# KiCad board Control v1.kicad_pcb (continued)
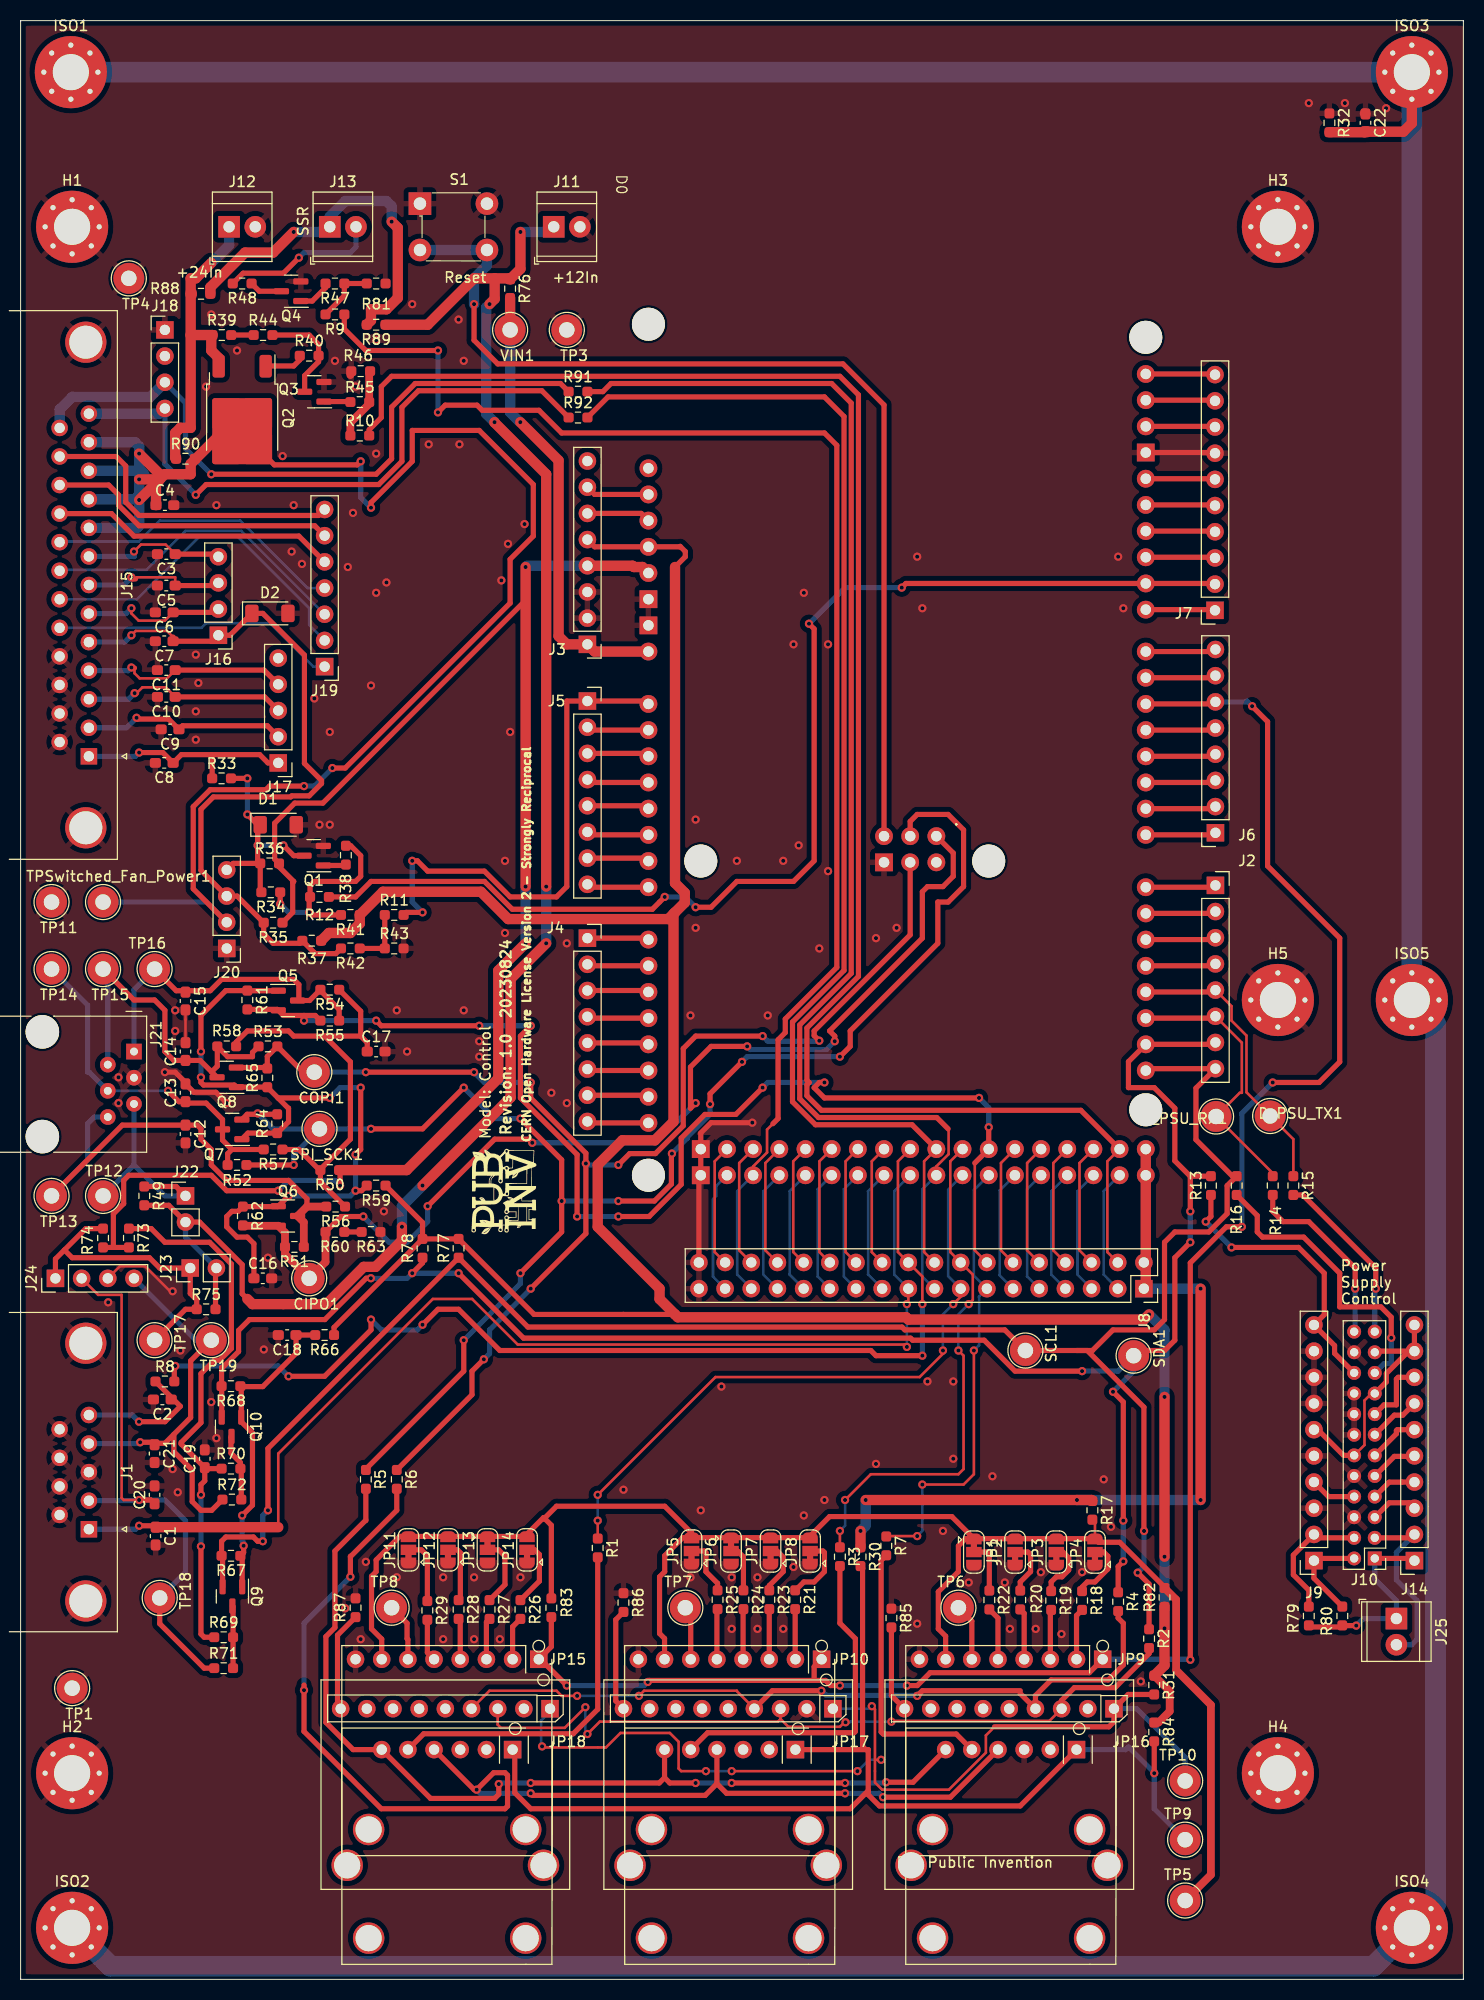
[diagram p0: board, top side]
## Library data of the parts (continued)
JP1-JP8 JP11-JP14 = -: Description: 3-pole Solder Jumper, pins 1+2 closed/bridged
JP9 = -: Description: Generic connector, single row, 01x08, script generated (kicad-library-utils/schlib/autogen/connector/)
Q1 Q3 Q4 = -: Description: 50V Vds, 0.22A Id, N-Channel MOSFET, SOT-23; AssemblyType: SMT; Cost: 0.0196; Distributor 1: JLCPCB; Distributor 1 PN: C400505; Manufacturer: Yangzhou Yangjie Electronic Technology Co., Ltd
Q2 = -: Description: 45A Id, 30V Vds, TrenchFET P-Channel Power MOSFET, 8.7mOhm Ron, 90nC Qg, -55 to 150 °C, TO-252-2; AssemblyType: SMT; Cost: $0.51; Distributor 1: JLCPCB; Distributor 1 PN: C115991; Manufacturer: Wuxi NCE Power Semiconductor
Q5-Q10 = -: Description: 50V Vds, 0.22A Id, N-Channel MOSFET, SOT-23; AssemblyType: SMT; Cost: 0.0196; Distributor 1: JLCPCB; Distributor 1 PN: C400505; LongLead: NO; Manufacturer: Yangzhou Yangjie Elec Tech
R1-R8 R13-R17 R30 R31 R33 R48 R76 R79 R80 R82 R84 R88 R89 = -: Description: Resistor; AssemblyType: SMT; Cost: 0.0015; Distributor 1: JLCPCB; Distributor 1 PN: C269434; MPN: RMC060315%N; Manufacturer: TyoHM
R9-R12 R49 R50 R59 R66 R73-R75 R91 R92 = -: Description: Resistor; AssemblyType: SMT; Cost: 0.0015; Distributor 1: NA; Distributor 1 PN: NA; LongLead: NO
R18-R29 R36-R38 R42 R45 R47 R85-R87 = -: Description: Resistor; AssemblyType: SMT; Cost: 0.0015; Distributor 1: JLCPCB; Distributor 1 PN: C269704; MPN: RMC06031K1%N; Manufacturer: TyoHM
R32 = -: Description: Resistor; AssemblyType: SMT; Cost: 0.0015; Distributor 1: JLCPCB; MPN: RMC060315%N; Manufacturer: TyoHM
R34 R35 R43 R90 = -: Description: Resistor
R39 R40 = -: Description: Resistor; AssemblyType: SMT; Cost: 0.0015; Distributor 1: JLCPCB; Distributor 1 PN: C269701
R41 R44 R46 R56 R61 R64 R65 R67-R70 R81 = -: Description: Resistor; AssemblyType: SMT; Cost: 0.0015; Distributor 1: JLCPCB; Distributor 1 PN: C269701; LongLead: NO; MPN: RMC 0603 10K F N; Manufacturer: TyoHM
R51-R55 R57 R58 R60 R62 R63 = -: Description: Resistor; AssemblyType: SMT; Cost: 0.0015; Distributor 1: JLCPCB; Distributor 1 PN: C269704; LongLead: NO; MPN: RMC06031K1%N; Manufacturer: TyoHM
R71 R72 = -: Description: Resistor; AssemblyType: SMT; Cost: 0.0015; Distributor 1: JLCPCB; Distributor 1 PN: C325713; LongLead: NO; MPN: RMC0603391%N; Manufacturer: TyoHM
R77 R78 R83 = -: Description: Resistor; AssemblyType: SMT; Cost: 0.0015; Distributor 1: JLCPCB; Distributor 1 PN: C269713; MPN: RMC 0603 4K7 F N; Manufacturer: TyoHM
S1 = -: Description: SWITCH TACTILE SPST-NO 0.05A 24V; AssemblyType: HAND; Category: Switches; Cost: 0.0315; DK_Datasheet_Link: https://www.te.com/commerce/DocumentDelivery/DDEController?Action=srchrtrv&DocNm=1825910&DocType=Customer+Drawing&DocLang=English; DK_Detail_Page: /product-detail/en/te-connectivity-alcoswitch-switches/1825910-7/450-1804-ND/1731414; Distributor 1: JLCPCB; Distributor 1 PN: C13828; Distributor 2: Digikey; Distributor 2 PN: 450-1804-ND; Family: Tactile Switches; MPN: TE Connectivity 1825910-7,   Dongguan Guangzhu Industrial C13828; Manufacturer: TE Connectivity ALCOSWITCH Switches; Status: Active
TP12-TP19 = -: Description: test point; AssemblyType: DNI; Cost: NA; Distributor 1: NA; Distributor 1 PN: NA; LongLead: NO

## Footprints (pads in the part's own frame, mm; a bottom-side part is the same pattern mirrored in y, then rotated)
Adafruit_MAX31850K_Module
  rect 1.7x1.7 hole 1: 1(0,0)
  oval 1.7x1.7 hole 1: 2(2.54,0) 3(5.08,0) 4(7.62,0) 5(10.16,0) 6(12.7,0) 7(15.24,0) 8(17.78,0)
  round 3.048 hole 2.54: 9(1.27,16.51) 10(16.51,16.51)
Adafruit_MAX31855_Module
  rect 1.7x1.7 hole 1: 1(2.54,0.762)
  oval 1.7x1.7 hole 1: 2(5.08,0.762) 3(7.62,0.762) 4(10.16,0.762) 5(12.7,0.762) 6(15.24,0.762)
  round 3.048 hole 2.54: 8(1.27,19.05) 9(16.51,19.05)
Adafruit_MCP9600_Module
  rect 1.7x1.7 hole 1: 1(1.905,2.794)
  oval 1.7x1.7 hole 1: 2(4.445,2.794) 3(6.985,2.794) 4(9.525,2.794) 5(12.065,2.794) 6(14.605,2.794) 7(17.145,2.794) 8(19.685,2.794) 9(22.225,2.794)
  round 3.048 hole 2.54: 10(2.54,17.983) 11(21.59,17.983)
Arduino_Due_Shield
  round 3.2 hole 3.2 unplated: (13.97,2.54) (15.24,50.8) (66.04,35.56) (66.04,7.62) (90.17,50.8) (96.52,2.54)
  oval 1.727x1.727 hole 1.016: (27.94,2.54) 3V3(35.56,2.54) 5V1(38.1,2.54) 5V2(66.167,30.48) 5V3(93.98,50.8) 5V4(96.52,50.8) A0(50.8,2.54) A1(53.34,2.54) A2(55.88,2.54) A3(58.42,2.54) A4(60.96,2.54) A5(63.5,2.54) A6(66.04,2.54) A7(68.58,2.54) A8(73.66,2.54) A9(76.2,2.54) A10(78.74,2.54) A11(81.28,2.54) AREF(23.876,50.8) CANR(88.9,2.54) CANT(91.44,2.54) D0(63.5,50.8) D1(60.96,50.8) D2(58.42,50.8) D3(55.88,50.8) D4(53.34,50.8) D5(50.8,50.8) D6(48.26,50.8) D7(45.72,50.8) D8(41.656,50.8) D9(39.116,50.8) D10(36.576,50.8) D11(34.036,50.8) D12(31.496,50.8) D13(28.956,50.8) D14(68.58,50.8) D15(71.12,50.8) D16(73.66,50.8) D17(76.2,50.8) D18(78.74,50.8) D19(81.28,50.8) D20(83.82,50.8) D21(86.36,50.8) D22(93.98,48.26) D23(96.52,48.26) D24(93.98,45.72) D25(96.52,45.72) D26(93.98,43.18) D27(96.52,43.18) D28(93.98,40.64) D29(96.52,40.64) D30(93.98,38.1) D31(96.52,38.1) D32(93.98,35.56) D33(96.52,35.56) D34(93.98,33.02) D35(96.52,33.02) D36(93.98,30.48) D37(96.52,30.48) D38(93.98,27.94) D39(96.52,27.94) D40(93.98,25.4) D41(96.52,25.4) D42(93.98,22.86) D43(96.52,22.86) D44(93.98,20.32) D45(96.52,20.32) D46(93.98,17.78) D47(96.52,17.78) D48(93.98,15.24) D49(96.52,15.24) D50(93.98,12.7) D51(96.52,12.7) D52(93.98,10.16) D53(96.52,10.16) DAC0(83.82,2.54) DAC1(86.36,2.54) IORF(30.48,2.54) MISO(63.627,30.48) MOSI(66.167,27.94) RST1(33.02,2.54) RST2(63.627,25.4) SCK(63.627,27.94) SCL1(18.796,50.8) SDA1(21.336,50.8) VIN(45.72,2.54)
  rect 1.727x1.727 hole 1.016: GND1(26.416,50.8) GND2(40.64,2.54) GND3(43.18,2.54) GND4(66.167,25.4) GND5(93.98,7.62) GND6(96.52,7.62)
C_0603_1608Metric_Pad1.08x0.95mm_HandSolder
  rrect 1.075x0.95 smd: 1(-0.863,0) 2(0.863,0)
D_MiniMELF
  rrect 1.3x1.7 smd: 1(-1.75,0) 2(1.75,0)
DSUB-9_Female_Horizontal_P2.77x2.84mm_EdgePinOffset4.94mm_Housed_MountingHolesOffset7.48mm
  round 4 hole 3.2: 0(-18.04,-0.3) 0(6.96,-0.3)
  rect 1.6x1.6 hole 1: 1(0,0)
  round 1.6 hole 1: 2(-2.77,0) 3(-5.54,0) 4(-8.31,0) 5(-11.08,0) 6(-1.385,-2.84) 7(-4.155,-2.84) 8(-6.925,-2.84) 9(-9.695,-2.84)
DSUB-25_Female_Horizontal_P2.77x2.84mm_EdgePinOffset4.94mm_Housed_MountingHolesOffset7.48mm
  round 4 hole 3.2: 0(-40.17,-0.3) 0(6.93,-0.3)
  rect 1.6x1.6 hole 1: 1(0,0)
  round 1.6 hole 1: 2(-2.77,0) 3(-5.54,0) 4(-8.31,0) 5(-11.08,0) 6(-13.85,0) 7(-16.62,0) 8(-19.39,0) 9(-22.16,0) 10(-24.93,0) 11(-27.7,0) 12(-30.47,0) 13(-33.24,0) 14(-1.385,-2.84) 15(-4.155,-2.84) 16(-6.925,-2.84) 17(-9.695,-2.84) 18(-12.465,-2.84) 19(-15.235,-2.84) 20(-18.005,-2.84) 21(-20.775,-2.84) 22(-23.545,-2.84) 23(-26.315,-2.84) 24(-29.085,-2.84) 25(-31.855,-2.84)
MountingHole_3.5mm_Pad_Via
  round 0.8 hole 0.5: 1(-2.625,0) 1(-1.856,1.856) 1(-1.856,-1.856) 1(0,2.625) 1(0,-2.625) 1(1.856,1.856) 1(1.856,-1.856) 1(2.625,0)
  round 7 hole 3.5: 1(0,0)
PinHeader_1x02_P2.54mm_Vertical
  rect 1.7x1.7 hole 1: 1(0,0)
  oval 1.7x1.7 hole 1: 2(0,-2.54)
PinHeader_1x04_P2.54mm_Vertical
  rect 1.7x1.7 hole 1: 1(0,0)
  oval 1.7x1.7 hole 1: 2(0,-2.54) 3(0,-5.08) 4(0,-7.62)
PinHeader_1x05_P2.54mm_Vertical
  rect 1.7x1.7 hole 1: 1(0,0)
  oval 1.7x1.7 hole 1: 2(0,-2.54) 3(0,-5.08) 4(0,-7.62) 5(0,-10.16)
PinHeader_1x07_P2.54mm_Vertical
  rect 1.7x1.7 hole 1: 1(0,0)
  oval 1.7x1.7 hole 1: 2(0,-2.54) 3(0,-5.08) 4(0,-7.62) 5(0,-10.16) 6(0,-12.7) 7(0,-15.24)
PinHeader_1x08_P2.54mm_Vertical
  rect 1.7x1.7 hole 1: 1(0,0)
  oval 1.7x1.7 hole 1: 2(0,-2.54) 3(0,-5.08) 4(0,-7.62) 5(0,-10.16) 6(0,-12.7) 7(0,-15.24) 8(0,-17.78)
PinHeader_2x12_P2.00mm_Vertical
  rect 1.35x1.35 hole 0.8: 1(0,0)
  oval 1.35x1.35 hole 0.8: 2(2,0) 3(0,-2) 4(2,-2) 5(0,-4) 6(2,-4) 7(0,-6) 8(2,-6) 9(0,-8) 10(2,-8) 11(0,-10) 12(2,-10) 13(0,-12) 14(2,-12) 15(0,-14) 16(2,-14) 17(0,-16) 18(2,-16) 19(0,-18) 20(2,-18) 21(0,-20) 22(2,-20) 23(0,-22) 24(2,-22)
PinSocket_1x08_P2.54mm_Vertical
  rect 1.7x1.7 hole 1: 1(0,0)
  oval 1.7x1.7 hole 1: 2(0,-2.54) 3(0,-5.08) 4(0,-7.62) 5(0,-10.16) 6(0,-12.7) 7(0,-15.24) 8(0,-17.78)
PinSocket_1x10_P2.54mm_Vertical
  rect 1.7x1.7 hole 1: 1(0,0)
  oval 1.7x1.7 hole 1: 2(0,-2.54) 3(0,-5.08) 4(0,-7.62) 5(0,-10.16) 6(0,-12.7) 7(0,-15.24) 8(0,-17.78) 9(0,-20.32) 10(0,-22.86)
PinSocket_2x18_P2.54mm_Vertical
  rect 1.7x1.7 hole 1: 1(0,0)
  oval 1.7x1.7 hole 1: 2(-2.54,0) 3(0,-2.54) 4(-2.54,-2.54) 5(0,-5.08) 6(-2.54,-5.08) 7(0,-7.62) 8(-2.54,-7.62) 9(0,-10.16) 10(-2.54,-10.16) 11(0,-12.7) 12(-2.54,-12.7) 13(0,-15.24) 14(-2.54,-15.24) 15(0,-17.78) 16(-2.54,-17.78) 17(0,-20.32) 18(-2.54,-20.32) 19(0,-22.86) 20(-2.54,-22.86) 21(0,-25.4) 22(-2.54,-25.4) 23(0,-27.94) 24(-2.54,-27.94) 25(0,-30.48) 26(-2.54,-30.48) 27(0,-33.02) 28(-2.54,-33.02) 29(0,-35.56) 30(-2.54,-35.56) 31(0,-38.1) 32(-2.54,-38.1) 33(0,-40.64) 34(-2.54,-40.64) 35(0,-43.18) 36(-2.54,-43.18)
R_0603_1608Metric_Pad0.98x0.95mm_HandSolder
  rrect 0.975x0.95 smd: 1(-0.912,0) 2(0.912,0)
RJ12_Amphenol_54601
  round 3.25 hole 3.25 unplated: (-1.91,-8.89) (8.25,-8.89)
  rect 1.52x1.52 hole 0.76: 1(0,0)
  round 1.52 hole 0.76: 2(1.27,-2.54) 3(2.54,0) 4(3.81,-2.54) 5(5.08,0) 6(6.35,-2.54)
SolderJumper-3_P1.3mm_Bridged12_RoundedPad1.0x1.5mm
  custom 1.05x1.5 smd: 1(-1.3,0) 3(1.3,0)
  rect 1x1.5 smd: 2(0,0)
SOT-23
  rrect 1.475x0.6 smd: 1(-0.938,0.95) 2(-0.938,-0.95) 3(0.938,0)
Switch_Tactile_THT_6x6mm
  rect 2.2x2.2 hole 1.2: 1(0,0)
  round 2.2 hole 1.2: 2(6.5,0) 3(0,-4.5) 4(6.5,-4.5)
TerminalBlock_TE_282834-2_1x02_P2.54mm_Horizontal
  rect 2.1x2.1 hole 1.1: 1(0,0)
  round 2.1 hole 1.1: 2(2.54,0)
TestPoint_Loop_D2.54mm_Drill1.5mm_Beaded
  round 3 hole 1.5: 1(0,0)
TO-252-2
  rrect 2.2x1.2 smd: 1(-5.04,2.28) 3(-5.04,-2.28)
  rrect 3.05x2.75 smd: 2(-0.415,1.525) 2(-0.415,-1.525) 2(2.935,1.525) 2(2.935,-1.525)
  rrect 6.4x5.8 smd: 2(1.26,0)

## Nets
5VHead: A1.5V3 A1.5V4 J8.1 J8.2 R17.1 R30.1
+3.3V: A1.3V3 J3.5 R31.1 R37.2 R41.1 R59.1 R66.1 R77.2 R78.2 R82.1 R84.1
+5V: A1.5V1 J3.4 R35.1 R36.2 R50.1 R73.2 R74.2
+12V: J11.1 J22.2 J23.2 R49.2 R75.2 R76.1 R89.1
+24V: J12.1 Q2.3 R39.1 R88.1 R90.1
/I2C_LevelShift/+3V3Local: C18.1 Q9.1 Q10.1 R66.2 R67.1 R68.1
/I2C_LevelShift/+5VLocal: C19.1 R69.1 R70.1 R73.1
/SPI_ControllerLevel_Shifter/+3V3Local: C16.1 Q5.1 Q6.1 Q7.1 Q8.1 R59.2 R61.1 R62.1 R64.1 R65.1
/SPI_ControllerLevel_Shifter/+5VLocal: C17.1 R50.2 R54.1 R56.1 R57.1 R58.1
/Thermocouple Amplifier I2C breakout board - MCP9600/+VccMCP9600: JP19.1 JP20.1 JP21.1 R31.2 TP10.1
/Thermocouple Amplifier SPI Interface breakout board - MAX31855 /+VccMAX31855: JP16.1 JP17.1 JP18.1 R30.2 R84.2 TP9.1
/Thermocouple Amplifier with 1-Wire Breakout Board - MAX31850K/+VccMAX31850: JP1.1 JP2.3 JP3.3 JP4.3 JP5.3 JP6.1 JP7.3 JP8.3 JP9.7 JP10.7 JP11.3 JP12.3 JP13.1 JP14.3 JP15.7 R17.2 R82.2 R83.2 TP5.1
GND: A1.GND1 A1.GND2 A1.GND3 A1.GND4 A1.GND5 A1.GND6 C1.2 C2.2 C3.2 C4.2 C5.2 C6.2 C7.2 C8.2 C9.2 C10.2 C11.2 C12.2 C13.2 C14.2 C15.2 C16.2 C17.2 C18.2 C19.2 C20.2 C21.2 C22.1 D1.2 D2.2 H1.1 H2.1 H3.1 H4.1 H5.1 J1.0 J1.3 J1.6 J1.7 J1.8 J1.9 J3.2 J3.3 J7.7 J8.35 J8.36 J9.3 J9.5 J9.7 J9.8 J9.9 J10.6 J10.10 J10.14 J10.16 J10.18 J10.22 J11.2 J12.2 J15.0 J15.14 J15.15 J15.16 J15.17 J18.1 J20.1 J21.3 J24.3 JP1.3 JP2.1 JP3.1 JP4.1 JP5.1 JP6.3 JP7.1 JP8.1 JP9.8 JP10.8 JP11.1 JP12.1 JP13.3 JP14.1 JP15.8 JP16.3 JP17.3 JP18.3 JP19.2 JP20.2 JP21.2 Q1.2 Q3.2 Q4.2 R32.1 R43.2 R46.2 R63.1 R81.2 R85.1 R86.1 R87.1 S1.1 S1.2 TP1.1 TP3.1 TP4.1 TP11.1
/ACI: J10.13 J14.7
/AUX: J9.6 J10.12 J10.17 J10.21 J14.9 J14.10
/Blower controller/FAN1_FG: R11.1 R42.1 R43.1
/Blower controller/FAN_POWER: R10.1 R45.2 R46.1
/Blower controller/LOOPBACK13: J15.13 J18.4 R92.1
/Blower controller/LOOPBACK25: J15.25 J18.3 R91.1
/Blower controller/nFAN1_PWM: R12.1 R34.1 R38.2 R41.2
/Blower controller/PWMFan1: C8.1 J15.1 J17.1 R33.1
/Blower controller/PWMFan2: C9.1 J15.2 J17.2
/Blower controller/PWMFan3: C10.1 J15.3 J17.3
/Blower controller/PWMFan4: C11.1 J15.4 J17.4
/Blower controller/Switched_Fan_Power: C4.1 J15.9 J15.10 J15.11 J15.12 J20.2 Q2.2 R90.2 TPSwitched_Fan_Power1.1
/Blower controller/TachFan1: C7.1 D2.1 J15.5 J16.1 J20.3 R35.2 R37.1 R42.2
/Blower controller/TachFan2: C6.1 J15.6 J16.2
/Blower controller/TachFan3: C5.1 J15.7 J16.3
/Blower controller/TachFan4: C3.1 J15.8 J16.4
/D_PSU_RX: A1.D19 D_PSU_RX1.1 J2.6 R14.2
/D_PSU_TX: A1.D18 D_PSU_TX1.1 J2.5 R15.1
/EN+: J10.11 J14.6
/EN-: J10.9 J14.5
/I2C_LevelShift/I2C_VCC: J23.1 J24.1 R74.1 R75.1 TP17.1
/I2C_LevelShift/SCL_5V: C20.1 J1.2 J24.2 R71.1 TP18.1
/I2C_LevelShift/SDA_5V: C21.1 J1.4 J24.4 R72.1 TP19.1
/PAR: J10.7 J14.4
/POK: J10.5 J14.3
/PS_SCL: J10.19 R16.2
/PS_SDA: J9.10 J10.20 R13.1
/RX: J10.23 R15.2
/SPI_ControllerLevel_Shifter/C_SCK: C13.1 J21.4 Q7.3 R52.1 R57.2 TP14.1
/SPI_ControllerLevel_Shifter/CIPO: C12.1 J21.6 Q6.3 R51.1 R56.2 TP13.1
/SPI_ControllerLevel_Shifter/ControllerVcc: J21.5 J22.1 R49.1 TP12.1
/SPI_ControllerLevel_Shifter/COPI: C14.1 J21.2 Q8.3 R53.1 R58.2 TP15.1
/SPI_ControllerLevel_Shifter/nCS: C15.1 J21.1 Q5.3 R54.2 R55.1 TP16.1
/SSR Interface/Heater: R9.2 R47.1 R81.1
/SSR Interface/Heater_SSR_High: J13.1 R88.2 R89.2
/SSR Interface/Heater_SSR_Low: J13.2 R48.2
/Thermocouple Amplifier I2C breakout board - MCP9600/SCL: JP19.3 JP20.3 JP21.3 R2.2
/Thermocouple Amplifier I2C breakout board - MCP9600/SDA: JP19.4 JP20.4 JP21.4 R4.2
/Thermocouple Amplifier SPI Interface breakout board - MAX31855 /DO: JP16.4 JP17.4 JP18.4 R6.2
/Thermocouple Amplifier SPI Interface breakout board - MAX31855 /nCS_1: JP16.5 R7.2
/Thermocouple Amplifier SPI Interface breakout board - MAX31855 /nCS_2: JP17.5 R3.2
/Thermocouple Amplifier SPI Interface breakout board - MAX31855 /nCS_3: JP18.5 R1.2
/Thermocouple Amplifier SPI Interface breakout board - MAX31855 /SCK: JP16.6 JP17.6 JP18.6 R5.2
/TX: J10.24 R14.1
/VCI: J10.15 J14.8
/VO+: J9.1 J10.2 R80.2
/VO-: J9.2 J10.4 R79.2
/VS+: J10.1 J14.1 J25.1 R79.1 R80.1
/VS-: J10.3 J14.2 J25.2
/VSET: J9.4 J10.8
AREF: A1.AREF J7.8
BLOWER_ENABLE: A1.D22 J8.4 R10.2
BLOWER_TACH: A1.A0 J5.1 R11.2
CANR: A1.CANR J4.7
CANT: A1.CANT J4.8
CIPO: A1.MISO CIPO1.1 Q6.2 R51.2 R60.2 R62.2
COPI: A1.MOSI COPI1.1 Q8.2 R6.1 R53.2 R65.2
D0: A1.D0 J6.1
D1: A1.D1 J6.2
D23: A1.D23 J8.3
D25: A1.D25 J8.5
D27: A1.D27 J8.7
D29: A1.D29 J8.9
D31: A1.D31 J8.11
D32: A1.D32 J8.14 Q5.2 R55.2 R61.2
D37: A1.D37 J8.17 R91.2
D38: A1.D38 J8.20 R8.2
D39: A1.D39 C1.1 J1.1 J8.19
D40: A1.D40 J8.22
D41: A1.D41 J8.21
D42: A1.D42 J8.24
D43: A1.D43 J8.23
D44: A1.D44 J8.26
D45: A1.D45 J8.25
D46: A1.D46 J8.28
D47: A1.D47 J8.27
D48: A1.D48 J8.30
D49: A1.D49 J8.29
D50: A1.D50 J8.32
D51: A1.D51 J8.31 R9.1
D52: A1.D52 J8.34
D53: A1.D53 J8.33
DAC0: A1.DAC0 J4.5
DAC1: A1.DAC1 J4.6
LOOPBACK13: A1.D36 J8.18 R92.2
nFAN1_PWM: A1.D9 J7.2 R12.2
ONE_WIRE_TC: A1.D5 J6.6 JP9.1 JP10.1 JP15.1 R83.1
SCL: A1.D21 J2.8 Q9.2 R2.1 R16.1 R67.2 R77.1 SCL1.1
SCL1: A1.SCL1 J7.10
SDA: A1.D20 J2.7 Q10.2 R4.1 R13.2 R68.2 R78.1 SDA1.1
SDA1: A1.SDA1 J7.9
SPI_nRST: A1.RST2 S1.3 S1.4
SPI_SCK: A1.SCK Q7.2 R5.1 R52.2 R64.2 SPI_SCK1.1
TC_nCS1: A1.D33 J8.13 R7.1
TC_nCS2: A1.D34 J8.16 R3.1
TC_nCS3: A1.D35 J8.15 R1.1
Net-(A1-D4_CS1): A1.D4 J6.5
Net-(A1-D10_CS0): A1.D10 J7.3
Net-(A1-D14/TX3): A1.D14 J2.1
Net-(A1-D15/RX3): A1.D15 J2.2
Net-(A1-D16/TX2): A1.D16 J2.3
Net-(A1-D17/RX2): A1.D17 J2.4
Net-(A1-IOREF): A1.IORF J3.7
Net-(A1-RESET): A1.RST1 J3.6
Net-(C2-Pad1): C2.1 J1.5 R8.1
Net-(C22-Pad2): C22.2 ISO1.1 ISO2.1 ISO3.1 ISO4.1 ISO5.1 R32.2
Net-(D1-K): D1.1 J20.4 Q1.3 R33.2 R34.2 R36.1
Net-(J3-Pin_1): A1.VIN J3.1 R76.2 VIN1.1
Net-(J4-Pin_1): A1.A8 J4.1
Net-(J4-Pin_2): A1.A9 J4.2
Net-(J4-Pin_3): A1.A10 J4.3
Net-(J4-Pin_4): A1.A11 J4.4
Net-(J5-Pin_2): A1.A1 J5.2
Net-(J5-Pin_3): A1.A2 J5.3
Net-(J5-Pin_4): A1.A3 J5.4
Net-(J5-Pin_5): A1.A4 J5.5
Net-(J5-Pin_6): A1.A5 J5.6
Net-(J5-Pin_7): A1.A6 J5.7
Net-(J5-Pin_8): A1.A7 J5.8
Net-(J6-Pin_3): A1.D2 J6.3
Net-(J6-Pin_4): A1.D3 J6.4
Net-(J6-Pin_7): A1.D6 J6.7
Net-(J6-Pin_8): A1.D7 J6.8
Net-(J7-Pin_1): A1.D8 J7.1
Net-(J7-Pin_4): A1.D11 J7.4
Net-(J7-Pin_5): A1.D12 J7.5
Net-(J7-Pin_6): A1.D13 J7.6
Net-(J8-Pin_6): A1.D24 J8.6
Net-(J8-Pin_8): A1.D26 J8.8
Net-(J8-Pin_10): A1.D28 J8.10
Net-(J8-Pin_12): A1.D30 J8.12
Net-(J15-P18): J15.18 J19.1
Net-(J15-P19): J15.19 J19.2
Net-(J15-P20): J15.20 J19.3
Net-(J15-P21): J15.21 J19.4
Net-(J15-P22): J15.22 J19.5
Net-(J15-P23): J15.23 J19.6
Net-(J15-P24): J15.24 J19.7
Net-(JP1-C): JP1.2 R22.1
Net-(JP2-C): JP2.2 R20.1
Net-(JP3-C): JP3.2 R19.1
Net-(JP4-C): JP4.2 R18.1
Net-(JP5-C): JP5.2 R25.1
Net-(JP6-C): JP6.2 R24.1
Net-(JP7-C): JP7.2 R23.1
Net-(JP8-C): JP8.2 R21.1
Net-(JP9-Pin_2): JP9.2 R18.2
Net-(JP9-Pin_3): JP9.3 R19.2
Net-(JP9-Pin_4): JP9.4 R20.2
Net-(JP9-Pin_5): JP9.5 R22.2
Net-(JP9-Pin_6): JP9.6 TP6.1
Net-(JP10-Pad2): JP10.2 R21.2
Net-(JP10-Pad3): JP10.3 R23.2
Net-(JP10-Pad4): JP10.4 R24.2
Net-(JP10-Pad5): JP10.5 R25.2
Net-(JP10-Pad6): JP10.6 TP7.1
Net-(JP11-C): JP11.2 R29.1
Net-(JP12-C): JP12.2 R28.1
Net-(JP13-C): JP13.2 R27.1
Net-(JP14-C): JP14.2 R26.1
Net-(JP15-Pad2): JP15.2 R26.2
Net-(JP15-Pad3): JP15.3 R27.2
Net-(JP15-Pad4): JP15.4 R28.2
Net-(JP15-Pad5): JP15.5 R29.2
Net-(JP15-Pad6): JP15.6 TP8.1
Net-(JP19-Pad9): JP19.9 R85.2
Net-(JP20-Pad9): JP20.9 R86.2
Net-(JP21-Pad9): JP21.9 R87.2
Net-(Q1-G): Q1.1 R38.1
Net-(Q2-G): Q2.1 R40.1
Net-(Q3-D): Q3.3 R40.2 R44.2
Net-(Q3-G): Q3.1 R45.1
Net-(Q4-D): Q4.3 R48.1
Net-(Q4-G): Q4.1 R47.2
Net-(Q9-D): Q9.3 R69.2 R71.2
Net-(Q10-D): Q10.3 R70.2 R72.2
Net-(R39-Pad2): R39.2 R44.1
Net-(R60-Pad1): R60.1 R63.2

Pads without a net: A1 5V2; J3 8; J17 5; J18 2; JP9 9 10; JP10 9 10; JP15 9 10; JP16 2 8 9; JP17 2 8 9; JP18 2 8 9; JP19 5 6 7 8 10 11; JP20 5 6 7 8 10 11; JP21 5 6 7 8 10 11

## Via types
v1: diameter 0.8, hole 0.4, Top to Bottom, 307 vias

## Routing (per net, layer and track width the routed paths; a pad name or vN(x,y) marks a point on that pad's centre or on a via; arc(x,y) is an arc through that point)
5VHead: length 78.4
  Top w1: v1(114.5,67) v1(114.5,46.5) ; R17.1 103.91,46.5 v1(102.5,46.5) v1(82,46.5) ; v1(81.5,43.5) R30.1 ; A1.5V3 A1.5V4 109.18,67.18 J8.1
  Bottom w1: v1(81.5,43.5) 82,44 v1(82,46.5) ; v1(114.5,46.5) v1(102.5,46.5) ; J8.1 v1(114.5,67)
+3.3V: length 269.1
  Top w0.5: R59.1 39,73.41 R78.2 ; R66.1 30.41,63.24 R78.2 ; 63.5,137 64.5,138 64.5,138.5 64,139 63.96,138.96 A1.3V3 55.7,138.96 J3.5 ; R78.2 R77.2 49.83,64.5 63.5,64.5
  Top w0.75: R84.1 110.41,24.91 111.5,26 111.5,27.96 R31.1
  Top w1: v1(109.5,64.5) 109,64 86.15,64 85.92,64.22 63.78,64.22 62,66 62,67 56,73 56,79 58.39,81.39 61.55,81.39 63.35,83.19 63.35,103.35 63.5,103.5 ; 63.5,103.5 64.45,104.45 64.45,105.39 63.5,106.34 63.5,137 ; 63.5,103.5 62.85,102.85 47.32,102.85 44.67,105.5 35.16,105.5 R41.1 32.91,102.41 32,101.5 29.91,101.5 R37.2 ; R31.1 111,30.46 R82.1 ; v1(111,56.5) v1(111,41)
  Bottom w1: v1(111,41) v1(111,34.05) ; v1(109.5,64.5) 111,63 v1(111,56.5)
+5V: length 162.9
  Top w0.5: R50.1 31,78.41 v1(31,77) ; R35.1 26.4,103.49 26.4,106.4 26.5,106.5 25.08,107.92 25.08,108.25 24.65,108.67 24.65,112.15 26.6,114.1 29.33,114.1 49,133.77 v1(49,137) ; R74.2 9,71 ; 9,71 9,74.24 10,75.24 10,77.5 10.5,78 18.5,78 20,76.5 v1(25,76.5) ; 9,71 R73.2
  Top w1: A1.5V1 60.34,137 59.5,137 59.38,137.12 J3.4 ; v1(49,137) v1(49,106) ; R50.1 37.46,78.5 46.35,87.39 46.35,97.85 v1(49,100.5)
  Bottom w0.5: v1(31,77) 30.5,77.5 26,77.5 v1(25,76.5) ; v1(49,137) 49.12,137.12
  Bottom w1: v1(49,106) v1(49,100.5) ; 49.12,137.12 J3.4
+12V: length 167.1
  Top w0.5: 22,66 21.5,66.5 21.5,69.33 17.37,73.46 J22.2 14.37,75.09 R49.2 ; R75.2 18.91,68.91
  Top w1: 46,165 46,163 v1(45.5,162.5) ; 46,165 44,165 39.5,160.5 R89.1 ; 46,165 47.41,165 R76.1 48.5,165.91 v1(48.5,169.5) ; v1(37,73) 37,71.67 34.44,69.11 33.29,69.11 29.68,65.5 22.5,65.5 22,66 ; v1(51,100.5) 47.55,97.05 47.55,85.55 v1(39,77) ; v1(45.99,151.05) 45.99,151.01 51,146 v1(51,106)
  Bottom w0.5: J23.2 16,72 J22.2
  Bottom w1: v1(37,73) 37,75 v1(39,77) ; v1(48.5,169.5) 51.23,169.5 J11.1 ; v1(45.99,151.05) 45.17,151.87 45.17,162.17 v1(45.5,162.5) ; v1(51,106) v1(51,100.5)
+24V: length 31.1
  Top w1: 16.5,159.5 R39.1 18.5,159.39 18.5,158 19.22,157.28 Q2.3 ; 16.5,159.5 16.5,150.5 15.5,150.5 15,150 15,147.59 R90.1 ; 16.5,159.5 16.5,163.41 R88.1 16.5,163.59 16.5,165 17,165 v1(18.5,166.5)
  Bottom w1: v1(18.5,166.5) 20.23,168.23 J12.1
/I2C_LevelShift/+3V3Local: length 30.6
  Top w0.5: v1(21.64,42.06) 21.64,41.4 R67.1 ; R68.1 21.37,57.5 23.5,57.5 26.72,60.72 C18.1 R66.2 ; 21.41,57.46 Q10.1 21.41,54.09 22.5,53 22.5,46 v1(21.5,45) ; Q9.1 21.5,40.91
  Bottom w0.5: v1(21.64,42.06) 21.64,42.36 21.5,42.5 v1(21.5,45)
/I2C_LevelShift/+5VLocal: length 53.6
  Top w0.5: v1(17.5,47) 17.5,47.99 17.87,48.36 C19.1 15.58,51.93 15.58,52.07 17.5,54 17.5,58.75 18.8,60.05 19.31,60.05 20.45,61.19 20.45,69.39 18.34,71.5 14,71.5 12.67,72.82 R73.1 ; R70.1 17.96,49.54 ; v1(17.5,42) 17.5,33.5 17.81,33.19 R69.1
  Bottom w0.5: v1(17.5,42) v1(17.5,47)
/SPI_ControllerLevel_Shifter/+3V3Local: length 72.2
  Top w0.5: v1(17.5,87.5) 17.5,87 17.75,86.75 20.74,86.75 Q8.1 23.92,86.55 R65.1 24.99,85.49 ; v1(17.5,90) 17.5,93.5 19.91,95.91 R61.1 22.01,95.9 Q5.1 ; Q7.1 22.06,82.09 R64.1 26,83.19 26,84.5 25.97,84.5 24.99,85.49 ; v1(33,86.5) 33,80.5 v1(32.5,80) ; C16.1 22.64,71.36 22,72 21,72 20,73 20,74 20.5,74.5 21.11,74.5 R62.1 24.96,74.96 Q6.1 v1(26,76) ; 24.99,85.49 25,85.5 v1(30,85.5) ; v1(32.5,76.5) 33.09,76.5 R59.2
  Bottom w0.5: v1(33,86.5) 31,86.5 v1(30,85.5) ; v1(32.5,80) v1(32.5,76.5) 32,76 v1(26,76) ; v1(17.5,90) v1(17.5,87.5)
/SPI_ControllerLevel_Shifter/+5VLocal: length 44.5
  Top w0.5: R56.1 29.09,77.35 29.09,78.41 27,80.5 R57.1 ; 29.5,91.5 33,91.5 ; 29.5,91.5 26.5,91.5 26,92 22,92 20.91,90.91 R58.1 ; 29.5,91.5 32,89 32,81.5 29.09,78.59 R50.2 ; 33,91.5 33.64,90.86 C17.1 ; 33,91.5 33,93.91 R54.1
/Thermocouple Amplifier I2C breakout board - MCP9600/+VccMCP9600: length 97.2
  Top w0.25: v1(50.6,22.6) 50.7,22.5 56.8,22.5 58.2,23.9 63,23.9 63.85,23.05 63.85,20.45 64.1,20.2 v1(66.5,20.2) ; 82.9,21.3 v1(83.5,21.3) ; v1(82.6,26.5) 82.9,26.2 82.9,19.1 83.6,18.4 90.07,18.4 93.66,21.99 93.66,23.66 94.5,24.5 ; v1(81.2,20.2) v1(69,20.2)
  Top w0.5: R31.2 107.48,27.64 JP19.1 106.09,25 105.6,24.5 94.5,24.5
  Bottom w0.25: v1(82.6,26.5) 82.36,26.26 JP20.1 ; v1(81.2,20.2) 82.3,21.3 v1(83.5,21.3) ; v1(69,20.2) v1(66.5,20.2) ; JP21.1 51.38,25.97 50.5,25.1 50.5,22.7 v1(50.6,22.6)
  Bottom w0.5: TP10.1 113,21.55 108.29,26.26 JP19.1
/Thermocouple Amplifier SPI Interface breakout board - MAX31855 /+VccMAX31855: length 111.8
  Top w0.5: 82,22.29 JP17.1 ; 82,22.29 82.25,22.29 82.25,18.3 ; 82,22.29 81.7,22.59 81.7,39.89 R30.2 ; 82.25,18.3 82.25,17.91 83.34,16.82 97,16.82 JP16.1 ; 82.25,18.3 80.5,16.55 49.5,16.55 47.95,18.1 47.95,22.08 JP18.1 ; R84.2 v1(110,20)
  Bottom w0.5: JP16.1 107.24,22.29 107.5,22.55 110,20.05 110,16.55 TP9.1
/Thermocouple Amplifier with 1-Wire Breakout Board - MAX31850K/+VccMAX31850: length 165.4
  Top w0.25: R17.2 104.25,44.34 JP4.3
  Top w0.5: JP9.7 89.76,33.29 89.05,34 89.05,37.6 91,39.55 91,42.05 91.7,42.75 JP1.1 ; JP1.1 JP2.3 JP3.3 JP4.3 104.6,42.4 106.65,42.4 111,38.05 R82.2 ; JP1.1 90.35,44.9 78.5,44.9 76.61,43 ; JP5.3 JP6.1 JP7.3 JP8.3 ; JP5.3 64.25,42.85 62.5,41.1 62.5,39.55 62,39.05 62,33.55 62.48,33.06 JP10.7 ; JP5.3 65.1,43.45 ; 65.1,43.29 62.5,45.9 52,45.9 50.75,44.65 ; R83.2 51.5,44.05 50.75,44.8 49.14,43.19 JP14.3 JP13.1 JP12.3 JP11.3 36.78,42.96 34.5,40.68 34.5,39.55 34.05,39.1 34.05,34 35.04,33.01 JP15.7
  Top w0.75: R82.2 112.12,36.84 112.12,30 115.5,26.62 115.5,10.15 TP5.1
GND: length 43.5
  Top w0.25: v1(14.75,66.75) 14.5,66.75 12.08,69.18 9.63,69.18 J24.3 ; C14.2 C15.2
  Top w0.5: v1(20,85) 18.95,86.05 16.81,86.05 C13.2 16,87 15,88 v1(14,88) ; v1(71,83.1) 67,83.1 66,82.1 A1.GND5 A1.GND6 65.82,77.82 J8.36 ; J7.7 115.84,148.1 A1.GND1
  Top w0.75: 32,155.61 32,156
  Top w1: 130.45,181 C22.1
  vias: v1(8.5,65.68) v1(9.5,87.5) v1(9.5,85) v1(14.75,49.5) v1(15,94) v1(15,92) v1(15.25,47.25) v1(15.5,61) v1(17,128.5) v1(17,123) v1(17,120.25) v1(17.25,125.75) v1(18,154.5) v1(18.5,161.5) v1(18.5,56) v1(19,143) v1(19,52.5) v1(21,158) v1(23.6,61.1) v1(24,70) v1(25.42,147.76) v1(26.3,138.5) v1(26.5,143) v1(27.3,137.3) v1(28.5,124.25) v1(29,112) v1(30,121) v1(30,112) v1(30.5,157) v1(31.5,36) v1(31.75,137) v1(32.25,142.25) v1(32.5,154.5) v1(33,33) v1(33.5,40.5) v1(34,125.5) v1(34,71) v1(34.5,159) v1(34.5,148) v1(34.5,134.5) v1(35.25,74.5) v1(35.5,135.5) v1(36.5,94) v1(36.5,39) v1(37.5,90) v1(38,162.5) v1(39.6,148.9) v1(41,39) v1(41,33) v1(42.5,161) v1(42.58,148.9) v1(43,157) v1(43,94) v1(44,39) v1(44,33) v1(44.5,91) v1(44.5,89.5) v1(46.5,33) v1(46.65,135.7) v1(47,108.5) v1(47,101.5) v1(47.29,139.25) v1(47.5,121) v1(48.5,39) v1(48.9,141.16) v1(51.5,86) v1(53,100.5) v1(53,85) v1(58.5,47.5) v1(65,93.5) v1(65,39) v1(65.5,112.5) v1(65.5,102) v1(66,45.5) v1(68,57.5) v1(69,39) v1(69,34) v1(69.5,108.5) v1(71.5,39) v1(71.5,34) v1(72.5,93.5) v1(74,108.5) v1(74,34) v1(75,129.5) v1(75,40) v1(75.5,110) v1(76,134.5) v1(76,45) v1(77.5,100) v1(78,46.5) v1(78.35,129.5) v1(78.35,107.5) v1(83,101) v1(83,50) v1(85,102) v1(87,138) v1(87,34.5) v1(87.5,133) v1(88,58) v1(89.5,43.5) v1(90.5,58) v1(90.5,50.5) v1(92,38.5) v1(94.3,48.8) v1(95.5,38.5) v1(96,34) v1(98.5,34) v1(99,39.5) v1(101,33.5) v1(103,39.5) v1(105.1,48.5) v1(105.8,43.9) v1(106.5,138) v1(107,133) v1(108.7,28.9) v1(125,182) v1(128.5,182) v1(132.5,181.5)
/ACI: length 5.1
  Top w0.5: J10.13 133.3,54.73 134.12,54.73 J14.7
/AUX: length 24.5
  Top w0.25: 131.08,56.83 130.4,56.15 130.4,51.83 J10.12
  Top w0.5: J14.9 134.69,60.94 132.53,58.78 132.53,57.96 J10.17 131.08,56.83 ; J14.9 131.71,60.94 131.5,60.73 J10.21 ; J14.9 J14.10 ; J9.6 125.88,53.32 128.37,50.83 J10.12
/Blower controller/FAN1_FG: length 5.7
  Top w0.5: R11.1 R43.1 R42.1
/Blower controller/FAN_POWER: length 7
  Top w0.75: R10.1 32,151 33.83,152.82 R45.2 33.83,156
/Blower controller/LOOPBACK13: length 61.7
  Top w0.5: R92.1 50.58,154.1 38.6,154.1 37,152.5 37,147.25 34.75,145 18,145 v1(17,144)
  Bottom w0.5: v1(17,144) 14,147 J18.4
  Bottom w1: J18.4 13.5,151.88 J15.13
/Blower controller/LOOPBACK25: length 65.5
  Top w0.5: R91.1 52.39,154.8 38.29,154.8 36,152.51 36,147.5 34.5,146 v1(18.5,146)
  Bottom w0.5: v1(18.5,146) 16,148.5 16,152.92 J18.3
  Bottom w1: J18.3 12.58,153.5 5,153.5 3.79,152.29 J15.25
/Blower controller/nFAN1_PWM: length 19.2
  Top w0.5: R38.2 32.04,109.96 33,109 33,107 32.5,106.5 28.5,106.5 28.09,106.09 R12.1 28,104.91 v1(28,103.5) 28.25,103.25 R41.2 ; R34.1 v1(25.19,104.31)
  Bottom w0.5: v1(28,103.5) 26,103.5 v1(25.19,104.31)
/Blower controller/PWMFan1: length 21.9
  Top w0.5: R33.1 18.59,118.71 18.5,118.8 ; v1(11.5,119) 13.8,119 C8.1 15.6,118.8 18.5,118.8 ; J17.1 24,118 23.2,118.8 18.5,118.8
  Bottom w0.5: J15.1 11.14,118.64 v1(11.5,119)
/Blower controller/PWMFan2: length 19.8
  Top w0.5: J17.2 23.94,121.6 15.71,121.6 C9.1 14.36,122.25 11.37,122.25 v1(11.25,122.37)
  Bottom w0.5: v1(11.25,122.37) 10.28,121.41 J15.2
/Blower controller/PWMFan3: length 19.8
  Top w0.25: 11.25,124.76 11.81,125.33 14.08,125.33 C10.1
  Top w0.5: J17.3 23.68,124.4 C10.1 ; 11.25,124.76 v1(11.06,124.76)
  Bottom w0.5: v1(11.06,124.76) 10.47,124.18 J15.3
/Blower controller/PWMFan4: length 20.1
  Top w0.25: 11.05,127.2 11.05,126.7 11.55,126.2 14.2,126.2 C11.1
  Top w0.5: v1(10.75,127.25) 10.8,127.2 11.05,127.2 ; C11.1 23.62,127 J17.4
  Bottom w0.5: v1(10.75,127.25) 10.44,126.95 J15.4
/Blower controller/Switched_Fan_Power: length 165.1
  Top w0.5: v1(34,142.75) 34,143.25 38,147.25 38,150.25 44.5,150.25 49.75,145 49.75,140 47.5,137.75 47.5,133.5 31.5,117.5 v1(30.25,117.5) ; Q2.2 24.62,146.91 32.66,146.91 v1(33,147.25) ; v1(27.5,115.75) 24.15,115.75 23.8,115.4 18.4,115.4 16.75,113.75 16.75,105.79 J20.2
  Top w1: 13.5,145.5 14,146 16.5,146 16.5,147 19.67,150.18 Q2.2 ; 13.5,145.5 13.5,146 v1(11.5,148) ; 13.5,145.5 v1(11.5,143.5) ; 13.5,145.5 13.14,145.14 C4.1 ; 13.5,145.5 v1(11.5,145.5)
  Bottom w0.5: v1(33,147.25) 33,143.75 v1(34,142.75) ; TPSwitched_Fan_Power1.1 18.04,104.5 J20.2 ; v1(27.5,115.75) 28.5,115.75 v1(30.25,117.5)
  Bottom w1: J15.9 11.3,140.8 11.5,141 11.5,144 ; J15.11 11.66,146.34 12,146 ; J15.12 11.11,149.11 11.5,148.71 11.5,144 ; 11.5,144 11.07,143.57 J15.10
/Blower controller/TachFan1: length 74.6
  Top w0.25: 14.8,130.2 14.2,130.8 11.17,130.8 v1(10.75,130.38)
  Top w0.5: R42.2 30.59,99.5 28.5,99.5 28.5,99.59 R37.1 27.09,100.5 24.5,100.5 23.59,101.41 R35.2 21.01,105.08 J20.3 17.5,107.58 17.5,113.5 18.7,114.7 26.21,114.7 26.31,114.8 28,114.8 29.2,116 29.2,116.29 27.54,117.95 27.54,128.46 23.5,132.5 D2.1 20.32,130.38 J16.1 18.61,129.8 C7.1 14.8,130.2
  Bottom w0.5: v1(10.75,130.38) 10.09,129.72 J15.5
/Blower controller/TachFan2: length 14
  Top w0.25: v1(10.75,133) 10.75,132.5 11.45,131.8 14,131.8 C6.1
  Top w0.5: C6.1 18.87,132.6 J16.2
  Bottom w0.5: J15.6 10.24,132.49 v1(10.75,133)
/Blower controller/TachFan3: length 13.9
  Top w0.25: C5.1 15,136 11.3,136 11.15,135.85
  Top w0.5: C5.1 18.93,135.2 J16.3 ; 11.15,135.85 10.9,135.85 v1(10.75,136)
  Bottom w0.5: J15.7 10.01,135.26 v1(10.75,136)
/Blower controller/TachFan4: length 14.3
  Top w0.25: v1(11,138.5) 11.67,139.18 14.08,139.18 C3.1
  Top w0.5: C3.1 18.94,138.25 J16.4
  Bottom w0.5: J15.8 11,138.03 v1(11,138.5) 11.03,138.47 11.03,138
/D_PSU_RX: length 26.8
  Top w0.25: J2.6 118.5,90.86 118.5,86 118.3,86 D_PSU_RX1.1 121.5,78.2 R14.2
  Top w0.5: J2.6 115.76,93.24 A1.D19
/D_PSU_TX: length 28
  Top w0.25: J2.5 117.5,94.4 117.5,93 118.95,91.55 118.95,86.05 D_PSU_TX1.1 123.5,81.5 R15.1
  Top w0.5: A1.D18 115.76,95.78 J2.5
/EN+: length 5.1
  Top w0.5: J14.6 133.59,53.32 133.5,53.23 133.5,52.93 J10.11
/EN-: length 4.7
  Top w0.5: J14.5 135.2,50.73 133.3,50.73 J10.9
/I2C_LevelShift/I2C_VCC: length 30.2
  Top w0.5: 4.25,70.75 3.38,69.88 J24.1 ; 4.25,70.75 6.33,72.82 R74.1 ; 4.25,70.75 5,70 12.5,70 13.5,69 J23.1 16.46,66.54 17.09,65.91 R75.1 16,65 TP17.1
/I2C_LevelShift/SCL_5V: length 56
  Top w0.25: J24.2 7.52,66.4 9.8,66.4 9.8,46.7 10,46.5 v1(11.5,46.5)
  Top w0.5: TP18.1 13.5,34.5 17.81,30.19 R71.1 ; C20.1 12.64,46.5 v1(11.5,46.5)
  Bottom w0.5: TP18.1 16,39.5 16,44.5 14,46.5 v1(11.5,46.5) 11.44,46.44 J1.2
/I2C_LevelShift/SDA_5V: length 40.4
  Top w0.5: 14.88,52.88 14.88,51.18 16.65,49.41 16.65,46.35 17.5,45.5 18.54,45.5 R72.1 ; v1(11.6,52.1) 12.76,52.1 C21.1 13.14,52 14,52 16.5,54.5 16.5,60 TP19.1
  Bottom w0.5: TP19.1 17,62 J24.4 ; J1.4 11.48,51.98 v1(11.6,52.1)
/PAR: length 4.4
  Top w0.5: J14.4 134.01,48.24 134,48.23 132.8,48.23 J10.7
/POK: length 4.6
  Top w0.5: J10.5 132.8,46.23 134.72,46.23 J14.3
/PS_SCL: length 29.2
  Top w0.5: R16.2 120,74.09 120,72.5 120.5,72 124.5,72 128,68.5 128,65.23 132,65.23 133,64.23 v1(133,62.23)
  Bottom w0.5: J10.19 132.3,59.73 133,59.73 v1(133,62.23)
